# Altium PCB ESC_STM32.PcbDoc (part 1 of 2) (continued)
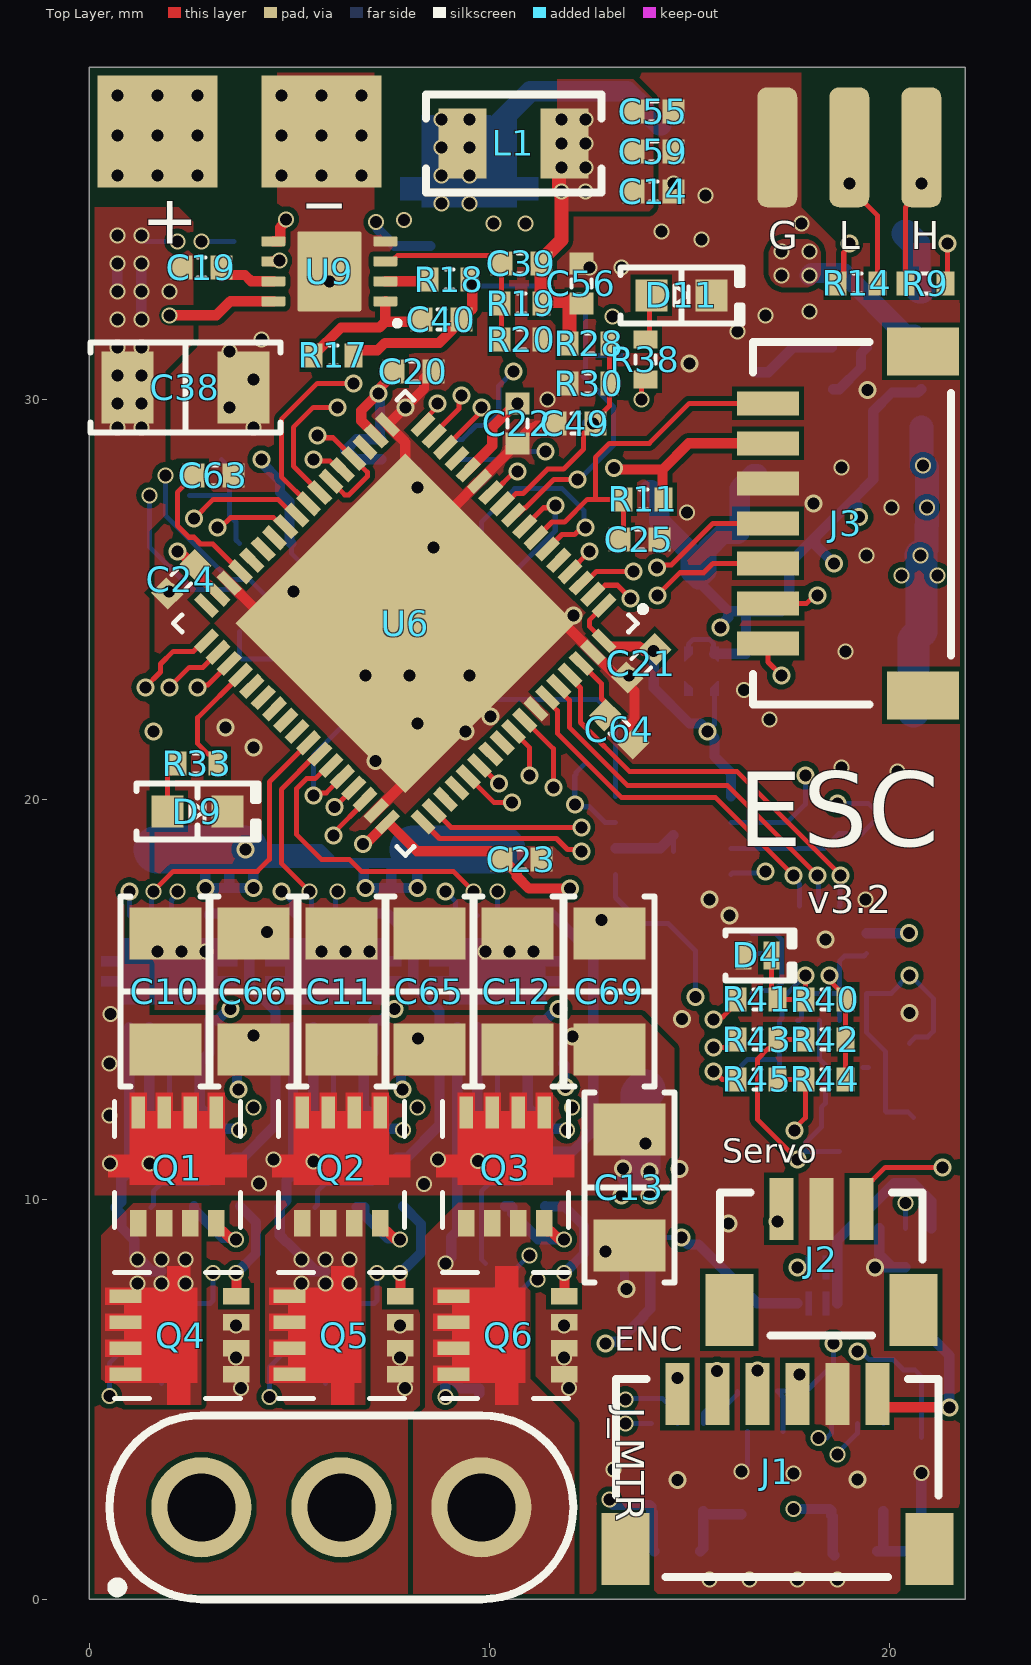
[diagram p0: Top Layer view]
## Design rules (kind name [scope] priority, off if disabled: settings)
BoardOutlineClearance [((OnLayer('Top Overlay') = False) AND (OnLayer('Bottom Overlay') = False))] p1: gap=0.127 ignorepadtopadclearanceinfootprint=FALSE
Clearance "PolyGon Pour Clearance" [InPolygon] p1: gap=0.127 ignorepadtopadclearanceinfootprint=FALSE
Clearance [All] p2: gap=0.127 ignorepadtopadclearanceinfootprint=FALSE
HoleSize [All] p1: absolutevalues=TRUE maxlimit=50 minlimit=0.2 maxpercent=80.000 minpercent=20.000
HoleToHoleClearance [All] p1: gap=0.2 allowstackedmicrovias=TRUE
MinimumSolderMaskSliver [All] p1: minsoldermaskwidth=0.01
PlaneClearance [All] p1: clearance=0.127
PlaneConnect [All] p1: pad.planeconnectstyle=Direct pad.reliefexpansion=0.508 pad.reliefentries=4 pad.reliefconductorwidth=0.254 pad.reliefairgap=0.254 via.planeconnectstyle=Relief via.reliefexpansion=0.508 via.reliefentries=4 via.reliefconductorwidth=0.254 via.reliefairgap=0.254
PolygonConnect PolygonRelief [IsPolygon and not (IsNamedPolygon('PolygonDirect'))] p1: thpad.connectstyle=Relief thpad.reliefconductorwidth=0.254 thpad.reliefentries=4 thpad.polygonreliefangle="90 Angle" thpad.airgapwidth=0.254 smdpad.connectstyle=Relief smdpad.reliefconductorwidth=0.254 smdpad.reliefentries=4 smdpad.polygonreliefangle="90 Angle" smdpad.airgapwidth=0.254 via.connectstyle=Direct via.reliefconductorwidth=0.254 via.reliefentries=4 via.polygonreliefangle="90 Angle" via.airgapwidth=0.254
PolygonConnect PolygonDirect [All] p2: connectstyle=Direct reliefconductorwidth=0.254 reliefentries=4 polygonreliefangle="90 Angle" airgapwidth=0.254
RoutingVias [All] p1: holewidth=0.3 width=0.45 viastyle="Through Hole" minholewidth=0.3 minwidth=0.4 maxholewidth=0.5 maxwidth=10
SolderMaskExpansion SolderMaskExpansionVia [IsVia] p1: expansion=0.102 istentingtop=TRUE
SolderMaskExpansion [All] p2: expansion=0.05 istentingtop=FALSE
SupplyNets "Schematic Supply Nets_7" [InNet('VIN')] p1: voltage=0.000
SupplyNets "Schematic Supply Nets_5" [InNet('3V3_MCU')] p2: voltage=0.000
SupplyNets "Schematic Supply Nets_4" [InNet('5V')] p3: voltage=0.000
SupplyNets "Schematic Supply Nets_3" [InNet('12V')] p4: voltage=0.000
SupplyNets "Schematic Supply Nets_2" [InNet('GND')] p5: voltage=0.000
SupplyNets "Schematic Supply Nets_1" [InNet('3V3')] p6: voltage=0.000
SupplyNets "Schematic Supply Nets" [InNet('VBAT')] p7: voltage=0.000
Width [All] p1: maxlimit=2 minlimit=0.127 preferedwidth=0.254
25 further rules are at their usual default settings.

## Classes and differential pairs
component class U_STM32: C20 C21 C22 C23 C24 C25 C58 C63 C64 D9 D11 J3 R11 R33 R38 U6 Y1
component class U_Half_Bridges: C1 C2 C3 C4 C5 C6 C7 C8 C9 C18 C37 C42 C43 C44 C51 C52 D2 D3 D4 Q1 Q2 Q3 Q4 Q5 Q6 R1 R2 R4 R5 R6 R7 R8 R10 R12 R13 R15 R16 R32 R34 R40 R41 R42 R43 R44 R45 R46 R47 R48 U1 U2 U3 U7 U8

## Components (designator, comment, footprint, x,y, rotation, side; value= is the part's Value field where it differs from the comment)
C1 "0.1uF" CAP_0402 1.1,9.8 r0 bottom
C2 "1uF" CAP_0402 3.2,12.4 r0 bottom
C3 "0.1uF" CAP_0402 3.2,13.4 r0 bottom
C4 "10nF" CAP_0402 5.2,9.8 r0 bottom
C5 "1uF" CAP_0402 7.3,13.4 r0 bottom
C6 "0.1uF" CAP_0402 7.3,12.4 r0 bottom
C7 "10nF" CAP_0402 9.4,8.4 r0 bottom
C8 "1uF" CAP_0402 11.4,12.4 r0 bottom
C9 "0.1uF" CAP_0402 11.4,13.4 r0 bottom
C10 "10 µF" "CAP 1206_3216 - 0.8MM" 1.9,15.2 r270 top
C11 "10 µF" "CAP 1206_3216 - 0.8MM" 6.3,15.2 r270 top
C12 "10 µF" "CAP 1206_3216 - 0.8MM" 10.7,15.2 r270 top
C13 "10 µF" "CAP 1206_3216 - 0.8MM" 13.5,10.3 r90 top
C14 "1uF" CAP_0402 14.1,35.2 r180 top
C15 "10 µF" "CAP 1206_3216 - 0.8MM" 2.4,31 r180 bottom
C16 "0.1uF" CAP_0402 6.4,28.3 r90 bottom
C17 "0.1uF" CAP_0402 8.9,6.1 r270 bottom
C18 "0.1uF" CAP_0402 17.6,2.7 r90 bottom
C19 "0.1uF" CAP_0402 2.8,33.3 r0 top
C20 "0.1uF" CAP_0402 8.1,30.7 r180 top
C21 "0.1uF" CAP_0402 13.8,23.4 r45 top
C22 "0.1uF" CAP_0402 10.7,29.4 r90 top
C23 "0.1uF" CAP_0402 10.8,18.5 r180 top
C24 "0.1uF" CAP_0402 2.3,25.5 r45 top
C25 "0.1uF" CAP_0402 13.75,26.5 r0 top
C26 "1 µF" "CAP 0402_1005" 19,31.3 r180 bottom
C27 "22 µF" "CAP 0805_2012" 12.3,34.8 r90 bottom
C28 "1 µF" "CAP 0402_1005" 16.7,26.7 r180 bottom
C29 "22 µF" "CAP 0603_1608" 15.9,25.5 r180 bottom
C30 "22 µF" "CAP 0603_1608" 20.1,26.1 r0 bottom
C31 "0.1 µF" "CAP 0402_1005" 20.5,27.3 r0 bottom
C32 "0.1uF" CAP_0402 16.4,23.2 r90 bottom
C33 "0.1uF" CAP_0402 15.9,21.7 r180 bottom
C34 "0.1uF" CAP_0402 14.8,8.6 r90 bottom
C35 "0.1uF" CAP_0402 14.3,7.1 r180 bottom
C36 "10 µF" "CAP 1206_3216 - 0.8MM" 1.7,20.2 r270 bottom
C37 "0.1uF" CAP_0402 13.1,2.8 r90 bottom
C38 "10 µF" "CAP 1206_3216 - 0.8MM" 2.4,30.3 r180 top
C39 "22pF" CAP_0402 10.8,33.4 r0 top
C40 "1nF" CAP_0402 8.8,32 r0 top
C41 "0.1uF" CAP_0402 20.5,17.1 r270 bottom
C42 "10nF" CAP_0402 16.3,12.9 r90 bottom
C43 "10nF" CAP_0402 18.9,13.3 r180 bottom
C44 "10nF" CAP_0402 20.5,15.1 r90 bottom
C45 "0.1uF" CAP_0402 11.9,30.6 r0 bottom
C46 "10 µF" "CAP 1206_3216 - 0.8MM" 10.8,20.2 r270 bottom
C47 "10 µF" "CAP 1206_3216 - 0.8MM" 15.1,10.7 r180 bottom
C48 "10 µF" "CAP 1206_3216 - 0.8MM" 13.9,14.2 r270 bottom
C49 "0.1uF" CAP_0402 12.15,29.4 r0 top
C50 "0.1uF" CAP_0402 4.5,27.5 r180 bottom
C51 "10nF" CAP_0402 16.9,4.2 r180 bottom
C52 "10nF" CAP_0402 20.8,3.6 r270 bottom
C53 "0.1uF" CAP_0402 8.4,24 r0 bottom
C54 "22 µF" "CAP 0805_2012" 19.8,24 r0 bottom
C55 "1uF" CAP_0402 14.1,37.2 r180 top
C56 "0.1uF" CAP_0402 12.3,32.9 r270 top
C57 "10 µF" "CAP 1206_3216 - 0.8MM" 17.5,34.8 r270 bottom
C58 "0.1uF" CAP_0402 6,25.9 r270 bottom
C59 "1uF" CAP_0402 14.1,36.2 r180 top
C60 "10 µF" "CAP 1206_3216 - 0.8MM" 7.1,31.8 r0 bottom
C61 "22 µF" "CAP 0805_2012" 19.8,22.2 r0 bottom
C62 "22 µF" "CAP 0603_1608" 14,28.4 r270 bottom
C63 "0.1uF" CAP_0402 3.1,28.1 r180 top
C64 "0.1uF" CAP_0402 13.25,21.75 r135 top
C65 "10 µF" "CAP 1206_3216 - 0.8MM" 8.5,15.2 r270 top
C66 "10 µF" "CAP 1206_3216 - 0.8MM" 4.1,15.2 r270 top
C67 "10 µF" "CAP 1206_3216 - 0.8MM" 8.1,20.2 r270 bottom
C68 "10 µF" "CAP 1206_3216 - 0.8MM" 3.9,20.2 r270 bottom
C69 "10 µF" "CAP 1206_3216 - 0.8MM" 13,15.2 r270 top
C73 "0.1uF" CAP_0402 12.4,21.4 r90 bottom
D1 "SE10FGHM3/H" "SMF DO-219AB" 20.4,35.6 r270 bottom
D2 "TVN3V3B1S-DFN1006-2LDG" 0402 20.6,11.7 r90 bottom
D3 "TVN3V3B1S-DFN1006-2LDG" 0402 19.1,11.2 r180 bottom
D4 "TVN3V3B1S-DFN1006-2LDG" 0402 16.7,16.1 r0 top
D5 "TVN3V3B1S-DFN1006-2LDG" 0402 13.8,31.1 r180 bottom
D6 "TVN3V3B1S-DFN1006-2LDG" 0402 12.1,29.4 r0 bottom
D9 "Green" "LED 0603_1608 GREEN" 2.7,19.7 r0 top
D11 "Green" "LED 0603_1608 GREEN" 14.8,32.6 r0 top
D12 "SE10FGHM3/H" "SMF DO-219AB" 14.3,35.4 r90 bottom
J1 "SM06B-SRSS-TB(LF)(SN)" "JST SM06B-SRSS-TB" 17.2,3.1 r180 top
J2 "BM03B-SRSS-TB(LF)(SN)" "JST BM03B-SRSS-TB" 18.3,8.5 r180 top
J3 "SM07B-SRSS-TB(LF)(SN)" "JST SM07B-SRSS-TB" 19,26.9 r270 top
J_MTR "MR30PB-FB" MR30PB-F 6.3,2.3 r0 top
L1 "2.2µH" "IND 1008_2520" 10.6,36.4 r0 top
L2 "4.7µH" "IND 1008_2520" 16.7,29.4 r270 bottom
Q1 "NVTFS5C680NL" NVTFS015N04CTAG 2.2,10.87 r90 top
Q2 "NVTFS5C680NL" NVTFS015N04CTAG 6.3,10.87 r90 top
Q3 "NVTFS5C680NL" NVTFS015N04CTAG 10.4,10.87 r90 top
Q4 "NVTFS5C680NL" NVTFS015N04CTAG 2.2,6.6 r180 top
Q5 "NVTFS5C680NL" NVTFS015N04CTAG 6.3,6.6 r180 top
Q6 "NVTFS5C680NL" NVTFS015N04CTAG 10.4,6.6 r180 top
Q7 "NVTFS5C680NL" NVTFS015N04CTAG 9.5,35.3 r90 bottom
R1 "10k" RES_0402 19.2,1.2 r0 bottom
R2 "2R" RES_0402 2.619,10.404 r270 bottom
R3 "TFA0805R60R4F-T5" "0805 Resistor" 18.7,19.7 r0 bottom value=60.4
R4 "10k" RES_0402 14.7,1.2 r0 bottom
R5 "10 mOhms" "RES 1206_3216" 1.8,6.8 r270 bottom value="39 mOhms"
R6 "2R" RES_0402 3.619,10.404 r270 bottom
R7 "2R" RES_0402 6.7,10.4 r270 bottom
R8 "10 mOhms" "RES 1206_3216" 5.9,6.8 r270 bottom value="39 mOhms"
R9 "0R" RES_0402 20.9,32.9 r180 top
R10 "10k" RES_0402 16.3,2.7 r90 bottom
R11 "4.7k" RES_0402 13.85,27.5 r0 top
R12 "2R" RES_0402 7.7,10.4 r270 bottom
R13 "2R" RES_0402 10.4,10.4 r270 bottom
R14 "0R" RES_0402 19.2,32.9 r0 top
R15 "2R" RES_0402 11.4,10.4 r270 bottom
R16 "10k" RES_0402 20.8,1.7 r90 bottom
R17 "10k" RES_0402 6.1,31.1 r180 top
R18 "100k" RES_0402 9,33 r0 top
R19 "42k" RES_0402 10.8,32.4 r180 top
R20 "4.7k" RES_0402 10.8,31.5 r0 top
R21 "0R" RES_0402 18.2,8.3 r180 bottom
R22 "0R" RES_0402 18.2,7.4 r180 bottom
R23 "10k" RES_0402 3.8,28.5 r180 bottom
R24 "4.7k" RES_0402 2.5,28.1 r90 bottom
R25 "1R" "RES 0603_1608" 20.8,32.1 r270 bottom
R27 "33k" RES_0402 11.9,32.6 r180 bottom
R28 "33k" RES_0402 12.5,31.4 r180 top
R29 "4.7k" RES_0402 11.9,31.6 r180 bottom
R30 "10k" RES_0402 12.5,30.4 r180 top
R31 "10 mOhms" "RES 1206_3216" 2.4,33.7 r180 bottom value="39 mOhms"
R32 "1k" RES_0402 16.7,5.2 r180 bottom
R33 "2k" RES_0402 2.7,20.9 r0 top
R34 "1k" RES_0402 20.3,5.5 r180 bottom
R35 "10k" RES_0402 6.5,24 r180 bottom
R38 "1k" RES_0402 13.9,31 r270 top
R40 "33k" RES_0402 18.4,15 r0 top
R41 "33k" RES_0402 16.7,15 r0 top
R42 "33k" RES_0402 18.4,14 r0 top
R43 "33k" RES_0402 16.7,14 r0 top
R44 "33k" RES_0402 18.4,13 r0 top
R45 "33k" RES_0402 16.7,13 r0 top
R46 "10k" RES_0402 17.3,12.8 r270 bottom
R47 "10k" RES_0402 18.8,12.3 r0 bottom
R48 "10k" RES_0402 20.5,13.4 r270 bottom
U1 "UCC27282" VSON-10 2,15.7 r90 bottom
U2 "UCC27282" VSON-10 6.1,15.7 r90 bottom
U3 "UCC27282" VSON-10 10.2,15.7 r90 bottom
U4 "TMP1075" 8-WSON_2x2_0.5mm 10.5,6.1 r270 bottom
U5 "TMP1075" 8-WSON_2x2_0.5mm 8.25,28.25 r180 bottom
U6 "STM32H573RIV" 68-VFQFPN 7.9,24.4 r225 top
U7 "INA185" "TI SC70-6 DCK" 14.7,3.3 r90 bottom
U8 "INA185" "TI SC70-6 DCK" 19.2,3.3 r90 bottom
U9 "LM25085" 8-WSON_3x3_0.5mm 6,33.2 r180 top
U10 "5V Buck" "TSOT-26-6 - 3.2mm" 19.7,29.3 r90 bottom
U11 "3.3V LDO" XDFN-4 15.3,23.2 r90 bottom
U12 "3.3V LDO" XDFN-4 13.7,8.6 r90 bottom
U13 "4x Comparator" QFN50P300X300X100-16N 18,15.9 r180 bottom
U14 "INA185" "TI SC70-6 DCK" 4.4,25.3 r270 bottom
U15 "TPS22810" 6-WSON_2x2_0.65mm 20.4,8.3 r90 bottom
U16 "TJA1051TK/3/1J" TJA1044xxK 14.6,19.1 r0 bottom
Y1 "27MHz" "ABRACON ASD" 8.1,25.9 r0 bottom

## Footprints (in the part's own frame and the unit in brackets; to place one, negate y for a bottom-side part, rotate by r counter-clockwise, add the part's x,y. Pads: shape width x height; smd on the part's side, far side on the other; paste and mask are expansions set on the pad)
6-WSON_2x2_0.65mm [mm]
  rrect25% 0.45x0.3 smd: 1(-0.975,0.65) 2(-0.975,0) 3(-0.975,-0.65) 4(0.975,-0.65) 5(0.975,0) 6(0.975,0.65)
  rrect5% 0.9x1.6 smd paste-2: 7(0,0)
  silkscreen extent -1.01,1.14 -0.89,1.26, body extent -1,-1 1,1, height 0.75
8-WSON_2x2_0.5mm [mm]
  rrect25% 0.5x0.25 smd: 1(-0.95,0.75) 2(-0.95,0.25) 3(-0.95,-0.25) 4(-0.95,-0.75) 5(0.95,-0.75) 6(0.95,-0.25) 7(0.95,0.25) 8(0.95,0.75)
  rrect5% 0.9x1.6 smd paste-2: 9(0,0)
  silkscreen extent -1.01,1.14 -0.89,1.26, body extent -1,-1 1,1, height 0.75
8-WSON_3x3_0.5mm [mm]
  rrect25% 0.6x0.25 smd: 1(-1.4,0.75) 2(-1.4,0.25) 3(-1.4,-0.25) 4(-1.4,-0.75) 5(1.4,-0.75) 6(1.4,-0.25) 7(1.4,0.25) 8(1.4,0.75)
  rrect5% 1.6x2 smd paste-2: 9(0,0)
  silkscreen extent -1.76,1.24 -1.64,1.36, body extent -1.5,-1.5 1.5,1.5, height 0.8
68-VFQFPN [mm]
  rect 0.65x0.25 smd: 1(-3.825,3.2) 2(-3.825,2.8) 3(-3.825,2.4) 4(-3.825,2) 5(-3.825,1.6) 6(-3.825,1.2) 7(-3.825,0.8) 8(-3.825,0.4) 9(-3.825,0) 10(-3.825,-0.4) 11(-3.825,-0.8) 12(-3.825,-1.2) 13(-3.825,-1.6) 14(-3.825,-2) 15(-3.825,-2.4) 16(-3.825,-2.8) 17(-3.825,-3.2) 35(3.825,-3.2) 36(3.825,-2.8) 37(3.825,-2.4) 38(3.825,-2) 39(3.825,-1.6) 40(3.825,-1.2) 41(3.825,-0.8) 42(3.825,-0.4) 43(3.825,0) 44(3.825,0.4) 45(3.825,0.8) 46(3.825,1.2) 47(3.825,1.6) 48(3.825,2) 49(3.825,2.4) 50(3.825,2.8) 51(3.825,3.2)
  rect 0.25x0.65 smd: 18(-3.2,-3.825) 19(-2.8,-3.825) 20(-2.4,-3.825) 21(-2,-3.825) 22(-1.6,-3.825) 23(-1.2,-3.825) 24(-0.8,-3.825) 25(-0.4,-3.825) 26(0,-3.825) 27(0.4,-3.825) 28(0.8,-3.825) 29(1.2,-3.825) 30(1.6,-3.825) 31(2,-3.825) 32(2.4,-3.825) 33(2.8,-3.825) 34(3.2,-3.825) 52(3.2,3.825) 53(2.8,3.825) 54(2.4,3.825) 55(2,3.825) 56(1.6,3.825) 57(1.2,3.825) 58(0.8,3.825) 59(0.4,3.825) 60(0,3.825) 61(-0.4,3.825) 62(-0.8,3.825) 63(-1.2,3.825) 64(-1.6,3.825) 65(-2,3.825) 66(-2.4,3.825) 67(-2.8,3.825) 68(-3.2,3.825)
  rect 6x6 smd: 69(0,0)
  silkscreen extent -4.5,-4.1 4.1,4.1, body extent -4.05,-4.05 4.05,4.05, height 1
0402 [mm] "SODFL, 2-Leads, Body 0.675x1.075mm, IPC Medium Density"
  rect 0.4x0.7 smd: 1(-0.35,0) 2(0.35,0)
  silkscreen extent -0.8,-0.63 0.92,0.63, body extent -0.51,-0.31 0.5,0.3, height 0.45
"0805 Resistor" [mm] "Chip Resistor, 2-Leads, Body 2.00x1.20mm, IPC Medium Density"
  rect 0.85x1.25 smd: 1(-0.975,0) 2(0.975,0)
  silkscreen extent -0.15,-0.53 0.15,0.53, body extent -1,-0.63 1,0.63, height 0.5
"ABRACON ASD" [mm] "Crystal, 4-Leads, Body 2.00x2.45mm, Pitch 1.65mm, IPC Medium Density"
  rect 0.9x0.8 smd: 1(-0.865,-0.665) 2(0.865,-0.665) 3(0.865,0.665) 4(-0.865,0.665)
  silkscreen extent -1.75,-1.55 1.6,1.4, body extent -1.27,-1.02 1.28,1.03, height 1
"CAP 0402_1005" [mm] "Chip Capacitor, 2-Leads, Body 1.02x0.51mm, IPC Medium Density"
  rect 0.6x0.64 smd: 1(-0.44,0) 2(0.44,0)
  silkscreen extent -1,-0.5 1,0.5, body extent -0.5,-0.26 0.5,0.26, height 0.52
"CAP 0603_1608" [mm] "Chip Capacitor, 2-Leads, Body 1.60x0.80mm, IPC Medium Density"
  rect 0.9x1 smd: 1(-0.675,0) 2(0.675,0)
  silkscreen extent -1.4,-0.7 1.4,0.7, body extent -0.8,-0.41 0.8,0.41, height 0.82
"CAP 0805_2012" [mm] "Chip Capacitor, 2-Leads, Body 2.00x1.20mm, IPC Medium Density"
  rect 1.3x1.4 smd: 1(-0.8,0) 2(0.8,0)
  silkscreen extent -1.7,-0.9 1.7,0.9, body extent -1,-0.64 1,0.64, height 1.26
"CAP 1206_3216 - 0.8MM" [mm] "Chip Capacitor, 2-Leads, Body 3.25x1.60mm, IPC Medium Density"
  rect 1.3x1.8 smd: 1(-1.45,0) 2(1.45,0)
  silkscreen extent -2.37,-1.12 2.37,1.12, body extent -1.6,-0.8 1.6,0.8, height 0.8
CAP_0402 [mm]
  rect 0.55x0.6 smd: 1(-0.5,0) 2(0.5,0)
  silkscreen extent -0.1,-0.25 0.1,0.25, body extent -0.5,-0.26 0.5,0.26, height 0.52
"IND 1008_2520" [mm] "Chip Inductance, 2-leads, Body 2.5x2.1mm, IPC Medium Density"
  rect 1.2x1.75 smd: 1(-1.275,0) 2(1.275,0)
  silkscreen extent -2.18,-1.22 2.2,1.22, body extent -1.3,-1.05 1.3,1.05, height 1
"JST BM03B-SRSS-TB" [mm] "1.0mm pitch/Disconnectable Crimp style connector"
  rect 0.6x1.55 smd: 1(-1,-1.262) 2(0,-1.262) 3(1,-1.262)
  rect 1.2x1.8 smd: M(-2.3,1.262) M(2.3,1.262)
  silkscreen extent -2.53,-1.68 2.53,1.91, body extent -2.5,-1.69 2.5,1.91, height 4.32
"JST SM06B-SRSS-TB" [mm] "1.0mm pitch/Disconnectable Crimp style connector"
  rect 0.6x1.55 smd: 1(-2.5,-2.032) 2(-1.5,-2.032) 3(-0.5,-2.032) 4(0.5,-2.032) 5(1.5,-2.032) 6(2.5,-2.032)
  rect 1.2x1.8 smd: M(-3.8,1.843) M(3.8,1.843)
  silkscreen extent -4.03,-2.41 4.03,2.54, body extent -4,-2.38 4,2.57, height 2.95
"JST SM07B-SRSS-TB" [mm] "1.0mm pitch/Disconnectable Crimp style connector"
  rect 0.6x1.55 smd: 1(-3,-2.032) 2(-2,-2.032) 3(-1,-2.032) 4(0,-2.032) 5(1,-2.032) 6(2,-2.032) 7(3,-2.032)
  rect 1.2x1.8 smd: M(-4.3,1.843) M(4.3,1.843)
  silkscreen extent -4.53,-2.41 4.53,2.54, body extent -4.5,-2.38 4.5,2.57, height 2.95
"LED 0603_1608 GREEN" [mm] "Chip Diode, 2-Leads, Body 1.60x0.80mm, IPC Medium Density"
  rect 0.8x0.8 smd: 1(-0.75,0) 2(0.75,0)
  silkscreen extent -1.52,-0.7 1.52,0.7, body extent -0.8,-0.4 0.8,0.4, height 0.53
MR30PB-F [mm]
  round 2.5 hole 1.7: 1(-3.5,0) 2(0,0) 3(3.5,0)
  silkscreen extent -5.8,-2.3 5.8,2.3, body extent -6,-2.5 6,2.5, height 8.8
NVTFS015N04CTAG [mm]
  rect 0.66x0.42 smd: 1(-1.47,0.975) 2(-1.47,0.325) 3(-1.47,-0.325) 4(-1.47,-0.975)
  rect 0.8x0.34 smd: 5(1.3,-0.975) 6(1.3,-0.325) 7(1.3,0.325) 8(1.3,0.975)
  Top Layer region: -0.5,-1.185 -0.5,1.185 -0.32,1.185 -0.32,1.73 0.25,1.73 0.25,1.185 1.8,1.185 1.8,0.765 1.33,0.765 1.33,0.535 1.8,0.535 1.8,0.115 1.33,0.115 1.33,-0.115 1.8,-0.115 1.8,-0.535 1.33,-0.535 1.33,-0.765 1.8,-0.765 1.8,-1.185 0.25,-1.185 0.25,-1.73 -0.32,-1.73 -0.32,-1.185
  silkscreen extent -1.58,-1.58 1.58,1.58, body extent -1.7,-1.7 1.7,1.7, height 1.1
QFN50P300X300X100-16N [mm]
  rrect25% 0.84x0.26 smd: 1(-1.435,0.75) 2(-1.435,0.25) 3(-1.435,-0.25) 4(-1.435,-0.75) 9(1.435,-0.75) 10(1.435,-0.25) 11(1.435,0.25) 12(1.435,0.75)
  rrect25% 0.26x0.84 smd: 5(-0.75,-1.435) 6(-0.25,-1.435) 7(0.25,-1.435) 8(0.75,-1.435) 13(0.75,1.435) 14(0.25,1.435) 15(-0.25,1.435) 16(-0.75,1.435)
  silkscreen extent -2.1,-1.5 1.5,1.5, body extent -1.5,-1.5 1.5,1.5, height 1
"RES 0603_1608" [mm] "Chip Resistor, 2-Leads, Body 1.60x0.80mm, IPC Medium Density"
  rect 0.85x0.95 smd: 1(-0.65,0) 2(0.65,0)
  silkscreen extent -1.27,-0.7 1.27,0.7, body extent -0.8,-0.4 0.8,0.4, height 0.45
"RES 1206_3216" [mm] "Chip Resistor, 2-Leads, Body 3.13x1.55mm, IPC Medium Density"
  rect 1.2x1.65 smd: 1(-1.4,0) 2(1.4,0)
  silkscreen extent -2.3,-1.1 2.3,1.1, body extent -1.6,-0.8 1.6,0.8, height 0.6
RES_0402 [mm]
  rect 0.45x0.6 smd: 1(-0.5,0) 2(0.5,0)
  silkscreen extent -0.1,-0.25 0.1,0.25, body extent -0.5,-0.25 0.5,0.25, height 0.35
"SMF DO-219AB" [mm] "Molded Diode, 2-Leads, Body 3.90x1.90mm, IPC Medium Density"
  rect 1.3x1.4 smd: 1(-1.45,0) 2(1.45,0)
  silkscreen extent -2.4,-1.1 2.59,1.1, body extent -1.5,-0.9 1.5,0.9, height 1.18
"TI SC70-6 DCK" [mm] "SC70, 6-Leads, Body 2.00x2.10mm, Pitch 0.65mm, IPC Medium Density"
  rect 0.85x0.35 smd: 1(-1.1,0.65) 2(-1.1,0) 3(-1.1,-0.65) 4(1.1,-0.65) 5(1.1,0) 6(1.1,0.65)
  silkscreen extent -1.12,-0.9 0.3,1.43, body extent -1.06,-1 1.06,1, height 1.1
TJA1044xxK [mm] "8-HVSON (3x3)"
  rrect25% 0.84x0.32 smd: 1(-1.445,0.975) 2(-1.445,0.325) 3(-1.445,-0.325) 4(-1.445,-0.975) 5(1.445,-0.975) 6(1.445,-0.325) 7(1.445,0.325) 8(1.445,0.975)
  rect 1.65x2.45 smd paste-2: 9(0,0)
  silkscreen extent -2.25,-1.5 1.5,1.5, body extent -1.5,-1.5 1.52,1.5, height 1
"TSOT-26-6 - 3.2mm" [mm]
  rect 0.7x1 smd: 1(0.95,1.1) 2(0,1.1) 3(-0.95,1.1) 4(-0.95,-1.1) 5(0,-1.1) 6(0.95,-1.1)
  silkscreen extent 1.55,1.25 1.65,1.36, body extent -1.45,-1.2 1.45,1.2, height 1
VSON-10 [mm]
  rrect25% 0.6x0.24 smd mask+0: 1(-1.4,1) 2(-1.4,0.5) 3(-1.4,0) 4(-1.4,-0.5) 5(-1.4,-1) 6(1.4,-1) 7(1.4,-0.5) 8(1.4,0) 9(1.4,0.5) 10(1.4,1)
  rrect5% 1.65x2.4 smd paste-2 mask+0: 11(0,0)
  Top Layer region: 0.375,1.2 0.825,1.2 0.825,-1.2 0.375,-1.2 0.375,-1.7 0.125,-1.7 0.125,-1.2 -0.125,-1.2 -0.125,-1.7 -0.375,-1.7 -0.375,-1.2 -0.825,-1.2 -0.825,1.2 -0.375,1.2 -0.375,1.7 -0.125,1.7 -0.125,1.2 0.125,1.2 0.125,1.7 0.375,1.7
  silkscreen extent -2.04,-1.5 1.5,1.6, body extent -1.5,-1.5 1.5,1.5, height 1
XDFN-4 [mil]
  round 1 smd mask+2.56: 1(-16.93,12.79) 2(-16.93,-12.79) 3(16.93,-12.79) 4(16.93,12.79)
  rect 18.9x18.9 smd rot 135 mask+2.56: 5(0,0)
  Top Layer region: -16.93,-8.65 -9.84,-15.75 -9.84,-16.93 -24.02,-16.93 -24.02,-8.65
  Top Layer region: 16.93,-8.65 9.84,-15.75 9.84,-16.93 24.02,-16.93 24.02,-8.65
  Top Layer region: 16.93,8.65 9.84,15.75 9.84,16.93 24.02,16.93 24.02,8.65
  Top Layer region: -16.93,8.65 -9.84,15.75 -9.84,16.93 -24.02,16.93 -24.02,8.65
  silkscreen extent -31,-20 20,20, body extent -20,-20 20,20, height 16

## Part data
C1 C2 C3 C4 C5 C6 C7 C8 C9 C14 C16 C17 C18 C19 C20 C21 C22 C23 C24 C25 C32 C33 C34 C35 C37 C39 C40 C41 C42 C43 C44 C45 C49 C50 C51 C52 C53 C55 C56 C58 C59 C63 C64 C73: library part CAP_0402, "CAP CER 402"
C10 C11 C12 C13 C15 C36 C38 C46 C47 C48 C57 C60 C65 C66 C67 C68 C69: library part CL31X106KAHNNNE, "CAP CER 10UF 25V X6S 1206", Device Package="1206 (3216 Metric)", Manufacturer="Samsung Electro-Mechanics", Operating Temperature="-55°C ~ 105°C", Supplier Part Number 1=1276-3298-1-ND, Temperature Coefficient=X6S, Tolerance=±10%, Voltage - Rated=25V, Applications="General Purpose", Capacitance="10 µF", ComponentLink1Description=Datasheet, ComponentLink1URL=http://www.samsungsem.com/kr/support/product-search/mlcc/CL31X106KAHNNNE.jsp, ComponentLink2Description="DigiKey Link", ComponentLink2URL=https://www.digikey.com/en/products/detail/samsung-electro-mechanics/CL31X106KAHNNNE/3888956, LastUpdated="6/4/2024 7:10:40 PM", Lifecycle Status=Active, Minimum Order=1, Mounting Type="Surface Mount, MLCC", Package / Case="1206 (3216 Metric)", Packaging=TapeAndReel, Part Number=CL31X106KAHNNNE, Part Status=Active, PartId=20108, Price=0.05, Series=CL, Size / Dimension="0.126\" L x 0.063\" W (3.20mm x 1.60mm)", Supplier 1=DigiKey, Thickness (Max)="0.071\" (1.80mm)"
C26 C28: library part C0402C104K4RACAUTO, "CAP CER 0.1UF 16V X7R 0402", Capacitance="0.1 µF", Device Package="0402 (1005 Metric)", Manufacturer=KEMET, Operating Temperature="-55°C ~ 125°C", Ratings=AEC-Q200, Supplier Part Number 1=399-6828-1-ND, Temperature Coefficient=X7R, Tolerance=±10%, Voltage - Rated=16V, Applications="Automotive, Bypass, Decoupling", ComponentLink1Description=Datasheet, ComponentLink1URL=https://api.kemet.com/component-edge/download/specsheet/C0402C104K4RACAUTO.pdf, ComponentLink2Description="DigiKey Link", ComponentLink2URL=https://www.digikey.com/en/products/detail/kemet/C0402C104K4RACAUTO/3314827, LastUpdated="2/9/2024 8:04:35 PM", Lifecycle Status=Active, Minimum Order=1, Mounting Type="Surface Mount, MLCC", Package / Case="0402 (1005 Metric)", Packaging=TapeAndReel, Part Number=C0402C104K4RACAUTO, Part Status=Active, PartId=3024, Price=0.01, Series="SMD Auto X7R", Size / Dimension="0.039\" L x 0.020\" W (1.00mm x 0.50mm)", Supplier 1=DigiKey, Thickness (Max)="0.022\" (0.55mm)"
C27 C54 C61: library part KGM21AS61C226MU, "CAP CER 22UF 16V X6S 0805", Device Package="0805 (2012 Metric)", Manufacturer="KYOCERA AVX", Operating Temperature="-55°C ~ 105°C", Supplier Part Number 1=478-KGM21AS61C226MUCT-ND, Temperature Coefficient=X6S, Tolerance=±20%, Voltage - Rated=16V, Applications="General Purpose", Capacitance="22 µF", ComponentLink1Description=Datasheet, ComponentLink1URL=https://media.digikey.com/pdf/Data%20Sheets/AVX%20PDFs/CM03_CM05_CM105_CM21_CM316_Spec.pdf, ComponentLink2Description="DigiKey Link", ComponentLink2URL=https://www.digikey.com/en/products/detail/kyocera-avx/KGM21AS61C226MU/17827473, LastUpdated="2/9/2024 8:14:12 PM", Lifecycle Status=Active, Minimum Order=1, Mounting Type="Surface Mount, MLCC", Package / Case="0805 (2012 Metric)", Packaging=TapeAndReel, Part Number=KGM21AS61C226MU, Part Status=Active, PartId=52516, Price=0.12, Series="KGM - X6S", Size / Dimension="0.079\" L x 0.049\" W (2.01mm x 1.25mm)", Supplier 1=DigiKey, Thickness (Max)="0.057\" (1.45mm)"